# Altium PCB SNES TST Main.PcbDoc (part 3 of 3)
Units mm, origin at the board's own origin, x right, y up, seen from the top; angles counter-clockwise.
Board outline 62 x 43 mm, 4 copper layers (Top Layer, Ground Layer, Power Layer, Bottom Layer), stack 1.62 mm thick; 203 components, 269 nets, 985 pads, 609 vias.
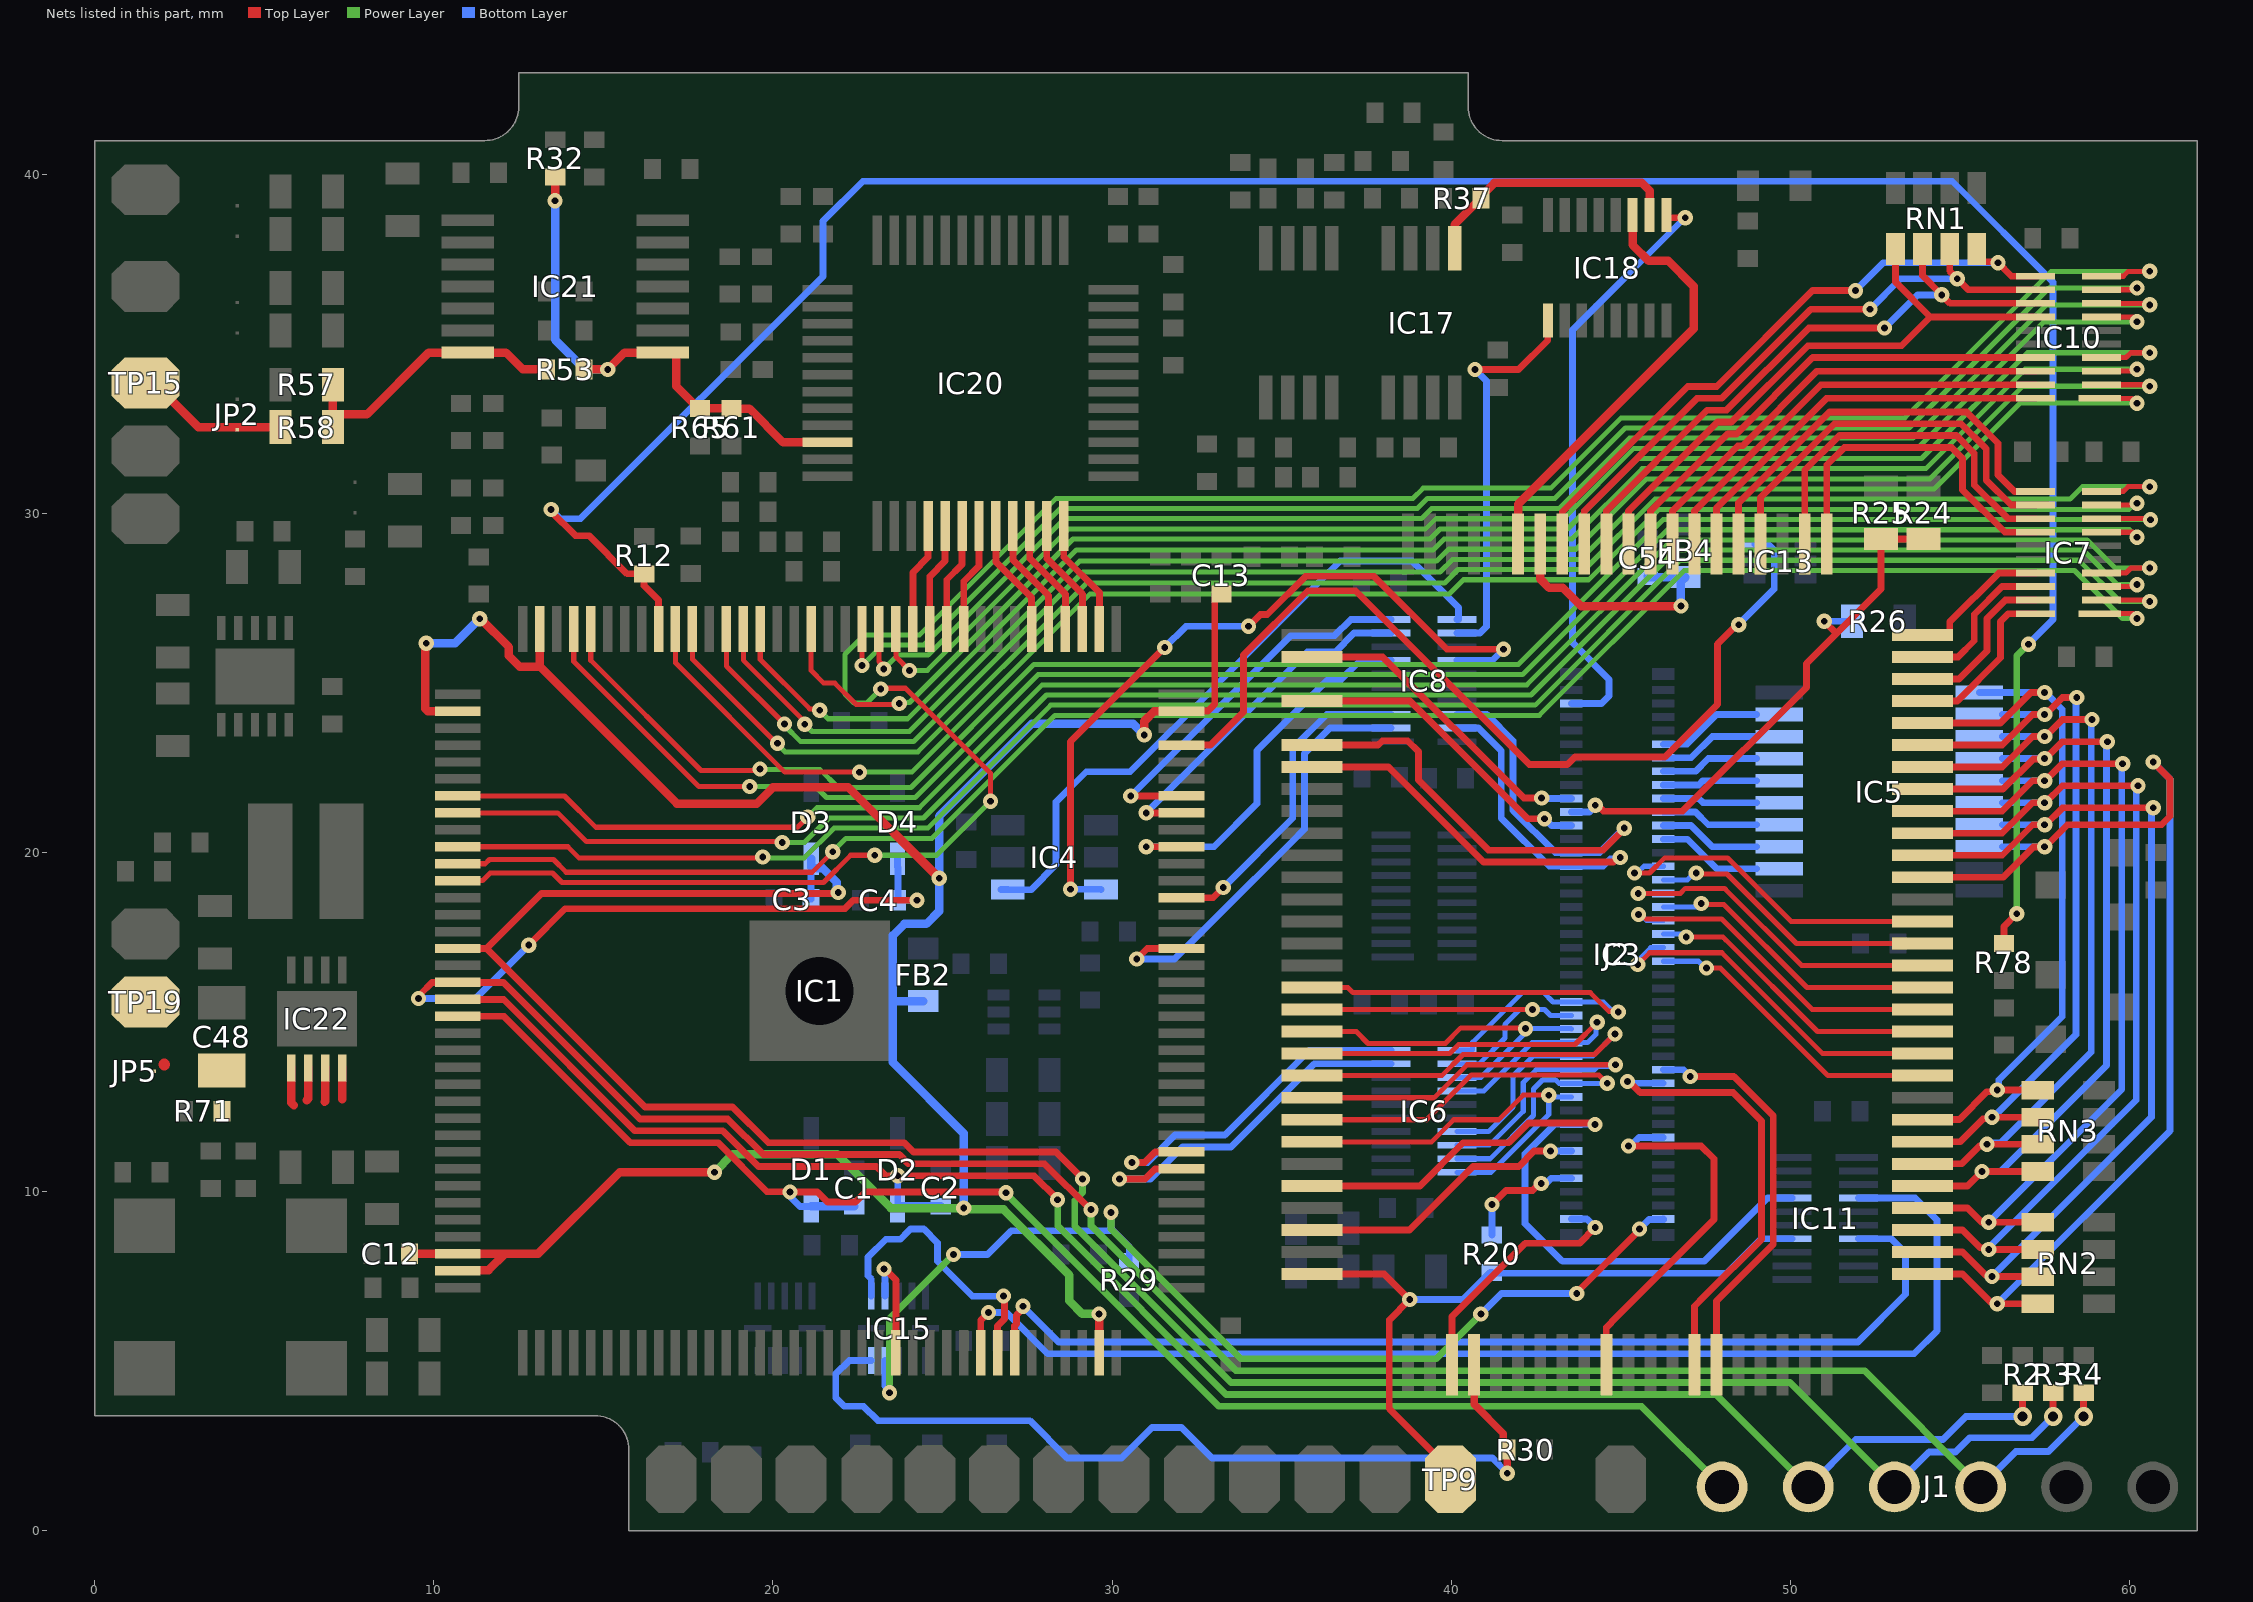
[diagram p5: the nets of this part, all layers, seen from the top]

## Via types
v1: diameter 0.45, hole 0.2, Top Layer to Bottom Layer, tented both sides, 443 vias
v2: diameter 0.55, hole 0.3, Top Layer to Bottom Layer, tented both sides, 166 vias

## Nets (pads, with @x,y where several pads share a name; then routed paths per layer and width w, separated by ;. In a path a pad name is that pad's centre, name@x,y a point inside that pad or via, vN(x,y) a via of type N, cw(c..) or ccw(c..) an arc to the next point about the centre after c; other vN are vias at no path point) (continued)
PA3V6: IC1.80 IC6.9 | length 11.4
  Top Layer w0.2: v1(30.221,10.381) 30.971,10.381 31.265,10.675 IC1.80@32.047,10.675
  Bottom Layer w0.2: v1(30.221,10.381) 31.131,10.381 32.075,11.325 33.51,11.325 33.635,11.45 35.96,13.775 IC6.9@38.225,13.775
PA3V7: IC1.81 IC6.10 | length 10.6
  Top Layer w0.2: v1(30.583,10.867) 30.962,10.867 31.27,11.175 IC1.81@32.047,11.175
  Bottom Layer w0.2: v1(30.583,10.867) 31.051,10.867 31.859,11.675 33.325,11.675 35.825,14.175 IC6.10@38.225,14.175
PA5V0: IC3.24 IC6.20 J2.62 | length 12.2
  Top Layer w0.15: IC3.24@35.9,11.475 39.425,11.475 40.075,12.125 41.4,12.125 42.126,12.851 v1(42.877,12.851)
  Bottom Layer w0.15: IC6.20@40.175,10.575 41.173,10.575 42.877,12.279 v1(42.877,12.851) ; v1@42.877,12.8 J2.62@43.545,12.8
PA5V1: IC3.23 IC6.19 J2.60 | length 15.2
  Top Layer w0.15: IC3.23@35.9,12.125 39.272,12.125 40.595,13.448 44.355,13.448 v1(44.602,13.201)
  Bottom Layer w0.15: IC6.19@40.175,10.975 41.149,10.975 42.425,12.251 42.425,13.035 42.691,13.301 43.081,13.301 43.182,13.2 v1(44.602,13.201)
PA5V2: IC3.22 IC6.18 J2.58 | length 15.5
  Top Layer w0.15: IC3.22@35.9,12.775 39.498,12.775 40.471,13.748 v1(44.848,13.748)
  Bottom Layer w0.15: IC6.18@40.175,11.375 41.124,11.375 42.125,12.376 42.125,13.221 42.507,13.603 43.542,13.603 J2.58@43.545,13.6 44.226,13.6 44.323,13.697 44.797,13.697 v1(44.848,13.748)
PA5V3: IC3.21 IC6.17 J2.56 | length 15.8
  Top Layer w0.15: IC3.21@35.9,13.425 39.724,13.425 40.347,14.048 44.224,14.048 v1(44.827,14.651)
  Bottom Layer w0.15: IC6.17@40.175,11.775 41.1,11.775 41.825,12.5 41.825,13.416 42.409,14 44.176,14 v1@44.827,14.651
PA5V4: IC3.20 IC6.14 J2.54 | length 13.9
  Top Layer w0.15: IC3.20@35.9,14.075 39.949,14.075 40.222,14.348 43.65,14.348 v1(44.303,15.001)
  Bottom Layer w0.15: IC6.14@40.175,12.975 40.96,12.975 42.387,14.402 43.543,14.402 J2.54@43.545,14.4 44.025,14.4 44.273,14.648 44.273,14.97 v1(44.303,15.001)
PA5V5: IC3.19 IC6.13 J2.52 | length 10.6
  Top Layer w0.15: IC3.19@35.9,14.725 37.2,14.725 37.55,14.375 39.825,14.375 40.285,14.835 42.169,14.835 v1(42.191,14.812)
  Bottom Layer w0.15: IC6.13@40.175,13.375 40.878,13.375 42.134,14.631 42.134,14.755 v1(42.191,14.812) ; v1@42.238,14.8 42.3,14.8 42.317,14.817 43.528,14.817 J2.52@43.545,14.8
PA5V6: IC3.18 IC6.12 J2.50 | length 10.8
  Top Layer w0.15: IC3.18@35.9,15.375 37.187,15.375 37.19,15.378 39.373,15.378 42.397,15.378 v1(42.4,15.375)
  Bottom Layer w0.15: IC6.12@40.175,13.775 40.825,13.775 41.587,14.537 41.587,14.939 42.023,15.375 42.75,15.375 42.925,15.2 J2.50@43.545,15.2
PA5V7: IC3.17 IC6.11 J2.48 | length 15.1
  Top Layer w0.15: IC3.17@35.9,16.025 36.95,16.025 37.102,15.873 44.102,15.873 44.65,15.326 44.9,15.326 v1(44.925,15.3)
  Bottom Layer w0.15: IC6.11@40.175,14.175 40.608,14.175 40.633,14.2 40.633,14.41 42.097,15.873 42.731,15.873 43.004,15.6 J2.48@43.545,15.6 44.483,15.6 44.726,15.357 44.868,15.357 v1(44.925,15.3)
PARD3V: IC1.93 IC8.2 | length 13.1
  Top Layer w0.2: v1(30.725,16.864) 31.036,17.175 IC1.93@32.047,17.175
  Bottom Layer w0.2: v1(30.725,16.864) 31.844,16.864 33.198,18.218 35.268,20.288 35.675,20.695 35.675,22.925 36.425,23.675 IC8.2@38.225,23.675
PARD5V: IC3.7 IC8.19 J2.28 | length 18.1
  Top Layer w0.2: IC3.7@35.9,22.525 38.15,22.525 40.95,19.725 44.784,19.725 44.919,19.86 v1(44.987,19.86)
  Bottom Layer w0.2: IC8.19@40.175,23.675 40.808,23.675 41.475,23.008 41.475,21.025 42.9,19.6 J2.28@43.545,19.6 44.478,19.6 44.691,19.813 44.939,19.813 v1(44.987,19.86)
PAWR3V: IC1.96 IC8.3 | length 9.6
  Top Layer w0.2: IC1.96@32.047,18.675 32.983,18.675 v1(33.279,18.971)
  Bottom Layer w0.2: v1(33.279,18.971) 35.325,21.017 35.325,23.07 36.33,24.075 IC8.3@38.225,24.075
PAWR5V: IC3.6 IC8.18 J2.26 | length 19.5
  Top Layer w0.2: IC3.6@35.9,23.175 37.841,23.175 37.966,23.3 38.719,23.3 39.033,22.985 39.033,22.142 41.1,20.075 44.475,20.075 45.1,20.7 v1(45.1,20.725)
  Bottom Layer w0.2: IC8.18@40.175,24.075 41.05,24.075 41.825,23.3 41.825,21.25 43.075,20 J2.26@43.545,20 44.375,20 v1(45.1,20.725)
PED: IC3.2 J2.18 | length 9.4
  Top Layer w0.2: IC3.2@35.9,25.775 37.98,25.775 42.142,21.613 v1(42.667,21.613)
  Bottom Layer w0.2: v1@42.656,21.6 J2.18@43.545,21.6
PPU_AVCC: C54.1 FB4.2 IC3.94 | length 7.5
  Top Layer w0.25: IC3.94@42.625,29.1 42.625,28.075 42.889,27.811 43.293,27.811 43.829,27.275 v1(46.775,27.275)
  Bottom Layer w0.25: C54.1@45.8,28.15 45.825,28.125 FB4.2@46.9,28.125 46.775,28 v1(46.775,27.275) v1@46.762,27.287
PPURST: IC1.136 R12.2 R78.1 | length 76.2
  Top Layer w0.2: v1(13.458,30.118) 13.458,30.067 14.175,29.35 14.575,29.35 15.7,28.225 R12.2@16.2,28.225 16.2,27.875 16.621,27.454 16.621,26.601 IC1.136@16.625,26.597 ; R78.1@56.3,17.325 56.3,17.825 v1(56.675,18.2)
  Power Layer w0.2: v1(56.675,18.2) 56.675,25.8 v1(57.025,26.15)
  Bottom Layer w0.2: v1(13.458,30.118) 13.725,29.85 14.329,29.85 21.475,36.996 21.475,38.625 22.65,39.8 54.775,39.8 57.75,36.825 57.75,26.875 v1(57.025,26.15)
PRIO0: IC3.44 J2.59 | length 13.5
  Top Layer w0.2: v1(45.202,13.251) 45.246,13.251 45.572,12.925 47.85,12.925 48.315,12.925 49.15,12.09 49.15,11.625 49.15,8.6 47.475,6.925 47.175,6.625 IC3.44@47.175,4.9
  Bottom Layer w0.2: v1(45.202,13.251) 45.253,13.2 J2.59@46.255,13.2
PRIO1: IC3.45 J2.57 | length 11.8
  Top Layer w0.2: v1(47.052,13.401) 48.334,13.401 49.5,12.235 49.5,8.455 47.825,6.78 IC3.45@47.825,4.9
  Bottom Layer w0.2: J2.57@46.255,13.6 46.847,13.6 47.017,13.429 v1@47.056,13.429
RAMP: IC17.1 IC18.10 R37.2 | length 7.6
  Top Layer w0.25: IC17.1@40.1,37.825 40.1,38.525 40.7,39.125 R37.2@40.75,39.125 ; R37.2@40.875,39.3 40.875,39.35 41.275,39.75 45.625,39.75 45.85,39.525 IC18.10@45.85,38.8
RDAC: IC20.34 IC21.1 R32.2 R53.2 R61.2 R65.2 | length 15.8
  Top Layer w0.25: v1(13.575,39.225) R32.2@13.575,39.925 ; R53.2@14.425,34.25 v1(15.125,34.25) 15.625,34.75 IC21.1@16.75,34.75 17.1,34.75 17.15,34.7 17.15,33.75 17.8,33.1 R65.2@17.85,33.1 R61.2@18.775,33.1 18.779,33.096 19.304,33.096 20.3,32.1 IC20.34@21.609,32.1
  Bottom Layer w0.25: v1(13.575,39.225) 13.575,35.125 14.45,34.25 v1(15.125,34.25)
RDIG1: IC1.121 IC20.40 | length 3.2
  Top Layer w0.2: IC1.121@24.125,26.597 24.125,28.265 24.575,28.715 IC20.40@24.575,29.634
RDIG2: IC1.120 IC20.41 | length 3.2
  Top Layer w0.2: IC1.120@24.625,26.597 24.625,28.15 25.075,28.6 IC20.41@25.075,29.634
RDIG3: IC1.119 IC20.42 | length 3.2
  Top Layer w0.2: IC1.119@25.125,26.597 25.125,28.05 25.575,28.5 IC20.42@25.575,29.634
RDIG4: IC1.118 IC20.43 | length 3.2
  Top Layer w0.2: IC1.118@25.625,26.597 25.625,28 26.075,28.45 IC20.43@26.075,29.634
RDIG5: IC1.114 IC20.44 | length 3.5
  Top Layer w0.2: IC20.44@26.575,29.634 26.575,28.575 27.625,27.525 IC1.114@27.625,26.597
RDIG6: IC1.113 IC20.45 | length 3.5
  Top Layer w0.2: IC20.45@27.075,29.634 27.075,28.63 28.125,27.58 IC1.113@28.125,26.597
RDIG7: IC1.112 IC20.46 | length 3.5
  Top Layer w0.2: IC20.46@27.575,29.634 27.575,28.675 28.625,27.625 IC1.112@28.625,26.597
RDIG8: IC1.111 IC20.47 | length 3.5
  Top Layer w0.2: IC20.47@28.075,29.634 28.075,28.675 29.125,27.625 IC1.111@29.125,26.597
RDIG9: IC1.110 IC20.48 | length 3.5
  Top Layer w0.2: IC20.48@28.575,29.634 28.575,28.72 29.625,27.67 IC1.110@29.625,26.597
RED: IC21.14 R53.1 R57.1 R58.1 | length 8.3
  Top Layer w0.25: R58.1@7.025,32.9 R57.1@7.025,34.15 ; R58.1@7.254,32.925 7.4,32.925 8.025,32.925 9.85,34.75 IC21.14@11,34.75 12.125,34.75 12.625,34.25 R53.1@13.325,34.25
REDOUT: JP2.1 R58.2 TP15.1 | length 4.4
  Top Layer w0.25: TP15.1@1.65,33.95 3.05,32.55 R58.2@5.475,32.55
REGION3V: IC1.66 IC11.7 | length 31.3
  Top Layer w0.2: IC1.66@27.125,5.253 27.125,6.048 27.18,6.103 27.18,6.363 27.373,6.556 v1(27.373,6.623)
  Bottom Layer w0.2: v1(27.373,6.623) 28.422,5.575 51.995,5.575 53.4,6.98 53.4,8.195 52.98,8.615 IC11.7@52.007,8.615
REGION5V: IC3.30 IC11.14 R20.1 TP9.1 | length 21.5
  Top Layer w0.2: IC3.30@35.9,7.575 38.025,7.575 v1(38.775,6.825) 38.175,6.225 38.175,3.6 39.975,1.8 TP9.1@39.975,1.525
  Bottom Layer w0.2: v1(38.775,6.825) 40.35,6.825 41.15,7.625 R20.1@41.2,7.625 41.225,7.6 48.125,7.6 49.14,8.615 IC11.14@50.057,8.615
REGPAT3V: IC1.99 IC8.7 | length 11.5
  Top Layer w0.2: v1(31.005,20.175) IC1.99@32.047,20.175
  Bottom Layer w0.2: v1(31.005,20.175) 33.005,20.175 34.275,21.445 34.275,23.01 36.34,25.075 36.725,25.075 37.325,25.675 IC8.7@38.225,25.675
REGPAT5V: IC4.6 IC8.14 | length 22.4
  Top Layer w0.2: v1(28.775,18.925) 28.775,23.275 v1(31.55,26.05) ; v1(34.023,26.677) 34.372,27.025 34.575,27.025 35.7,28.15 37.725,28.15 39.875,26 v1(41.546,26)
  Bottom Layer w0.2: v1(28.775,18.925) 29.662,18.925 IC4.6@29.673,18.914 ; v1(31.55,26.05) 32.177,26.677 v1(34.023,26.677) ; IC8.14@40.175,25.675 41.221,25.675 v1(41.546,26)
REGPSEL3V: IC1.102 IC8.10 | length 11.3
  Top Layer w0.2: v1(30.55,21.675) IC1.102@32.047,21.675
  Bottom Layer w0.2: v1(30.55,21.675) 35.275,26.4 36.565,26.4 37.04,26.875 IC8.10@38.225,26.875
REGPSEL5V: IC4.1 IC8.11 | length 19.6
  Bottom Layer w0.2: IC4.1@26.723,18.914 IC4.1@26.923,18.914 26.931,18.906 27.606,18.906 28.35,19.65 28.35,21.5 29.238,22.388 30.534,22.388 33.056,24.91 33.056,24.928 36.728,28.6 38.85,28.6 40.217,27.233 40.217,26.875 IC8.11@40.175,26.875
RESETI3V: IC1.59 IC15.8 | length 3.4
  Top Layer w0.2: v1(23.275,7.722) 23.3,7.722 23.625,7.397 IC1.59@23.625,5.253
  Bottom Layer w0.2: v1(23.275,7.722) 23.3,7.697 IC15.8@23.3,6.925
RESETI5V: IC15.4 J2.79 R29.1 | length 32.7
  Top Layer w0.2: v1(43.702,6.998) 43.702,7.028 45.55,8.876 v1(45.55,8.905)
  Power Layer w0.2: v1@23.434,4.075 23.434,6.259 v1(25.325,8.15) ; v1(29.969,9.394) 29.969,8.902 33.797,5.075 39.55,5.075 v1(40.875,6.4)
  Bottom Layer w0.2: IC15.4@23.3,5.025 23.3,4.275 23.433,4.142 v1(23.433,4.075) ; v1(25.325,8.15) 26.325,8.15 27.024,8.849 30.045,8.849 ; v1(29.969,9.394) 29.969,8.925 30.045,8.849 ; R29.1@30.5,7.95 30.505,7.955 30.505,8.389 30.045,8.849 ; v1(40.875,6.4) 41.48,7.005 43.695,7.005 v1(43.702,6.998) ; v1(45.55,8.905) 45.83,9.185 46.24,9.185 J2.79@46.255,9.2 J2.79@46.27,9.185
RESETO3V: IC1.65 IC15.7 | length 8.4
  Top Layer w0.2: IC1.65@26.625,5.253 26.625,6.043 26.83,6.248 26.83,6.895 v1(26.8,6.925)
  Bottom Layer w0.2: IC15.7@22.9,6.925 22.9,7.425 22.8,7.525 22.8,8.075 23.325,8.6 23.754,8.6 23.979,8.825 24.053,8.9 24.447,8.9 24.85,8.497 24.85,7.953 25.883,6.92 26.795,6.92 v1(26.8,6.925)
RESETO5V: IC3.34 IC15.5 R30.2 | length 27
  Top Layer w0.22: IC3.34@40.675,4.9 40.675,3.734 41.541,2.868 41.541,2.509 R30.2@41.65,2.4 v1(41.65,1.7)
  Bottom Layer w0.2: IC15.5@22.9,5.025 22.25,5.025 21.85,4.625 21.85,3.932 22.108,3.674 22.667,3.674 23.091,3.25 ; 23.092,3.25 23.775,3.25 ; 23.775,3.25 27.575,3.25 28.675,2.15 30.275,2.15 31.175,3.05 32.05,3.05 32.95,2.15 41.216,2.15 41.65,1.716 v1(41.65,1.7)
RESOUT0: IC3.33 J2.80 | length 7.5
  Top Layer w0.2: IC3.33@40.025,4.9 40.025,6.325 42.182,8.482 43.782,8.482 v1(44.247,8.947)
  Bottom Layer w0.2: J2.80@43.545,9.2 44,9.2 v1@44.25,8.95
RESOUT1: IC3.28 J2.70 | length 8.6
  Top Layer w0.2: IC3.28@35.9,8.875 38.77,8.875 40.645,10.75 41.995,10.75 42.445,11.2 v1(42.929,11.2)
  Bottom Layer w0.2: v1(42.929,11.2) J2.70@43.545,11.2
RGBSEL3V: IC1.101 IC8.9 | length 10.5
  Top Layer w0.2: v1(31.005,21.175) IC1.101@32.047,21.175
  Bottom Layer w0.2: v1(31.005,21.175) 35.755,25.925 36.585,25.925 37.135,26.475 IC8.9@38.225,26.475
RGBSEL5V: IC8.12 IC18.1 | length 11.8
  Top Layer w0.2: v1(40.7,34.25) 41.987,34.25 42.85,35.112 IC18.1@42.85,35.7
  Bottom Layer w0.2: IC8.12@40.175,26.475 40.848,26.475 41.039,26.666 41.039,33.911 v1(40.7,34.25)
RPPU: IC3.95 IC18.11 | length 12.9
  Top Layer w0.25: IC3.95@41.975,29.1 41.975,30.275 47.15,35.45 47.15,36.706 46.406,37.45 45.825,37.45 45.35,37.925 IC18.11@45.35,38.8
RSYS: IC18.9 J2.4 | length 17.7
  Top Layer w0.2: IC18.9@46.35,38.8 46.35,38.775 46.4,38.725 v1(46.9,38.725)
  Bottom Layer w0.2: J2.4@43.545,24.4 44.436,24.4 44.657,24.621 44.657,25.112 43.575,26.194 43.575,35.413 46.887,38.725 v1(46.9,38.725)
SUBCAR: J2.20 R24.1 R25.1 R26.1 | length 16.5
  Top Layer w0.2: v1(44.25,21.4) 44.317,21.4 44.492,21.225 46.825,21.225 50.473,24.873 50.473,25.573 51.363,26.463 ; v1(51,26.825) 51.363,26.463 ; R24.1@53.925,29.25 R25.1@52.675,29.25 52.675,27.775 51.363,26.463
  Bottom Layer w0.2: J2.20@43.545,21.2 44.079,21.2 44.25,21.371 v1(44.25,21.4) ; v1(51,26.825) R26.1@51.825,26.825
SUBCAR3V: IC1.105 IC13.3 | length 27.5
  Top Layer w0.2: IC1.105@32.047,23.175 32.9,23.175 33.875,24.15 33.875,25.83 35.77,27.725 37.178,27.725 42.303,22.6 43.425,22.6 43.65,22.825 46.3,22.825 47.85,24.375 47.85,26.15 48.425,26.725 v1(48.478,26.725)
  Bottom Layer w0.2: v1(48.478,26.725) 49.525,27.772 49.525,28.925 49.35,29.1 IC13.3@48.95,29.1
SYSREG: J2.74 R20.2 | length 3.6
  Top Layer w0.2: v1(41.2,9.625) 41.615,10.04 42.403,10.04 42.608,10.245 v1(42.657,10.245)
  Bottom Layer w0.2: R20.2@41.2,8.725 v1(41.2,9.625) ; v1(42.657,10.245) 42.687,10.276 42.825,10.276 42.942,10.392 ; 42.95,10.4 J2.74@43.545,10.4
TCK: C4.1 D4.2 IC1.18 J1.3 R4.1 | length 75
  Top Layer w0.2: v1(9.55,15.7) 9.598,15.748 9.598,15.826 9.947,16.175 12.055,16.175 16.08,12.15 18.665,12.15 19.715,11.1 23.725,11.1 24,10.825 28.007,10.825 29.357,9.475 v1(29.375,9.475) ; v1(12.8,17.275) 13.875,18.35 22.122,18.35 22.372,18.6 v1(24.25,18.6) ; v2(58.65,3.375) R4.1@58.65,4.075
  Power Layer w0.2: v1(29.375,9.475) 29.375,9.002 33.652,4.725 52.185,4.725 J1.3@55.61,1.3
  Bottom Layer w0.2: v1(9.55,15.7) 11.225,15.7 v1(12.8,17.275) ; D4.2@23.675,19.825 23.675,19.575 23.688,19.562 23.688,18.6 v1(24.25,18.6) ; J1.3@55.615,1.305 56.65,2.34 57.615,2.34 v2(58.65,3.375)
TDI: C2.1 D2.2 IC1.19 J1.5 R2.2 | length 56.3
  Top Layer w0.2: IC1.19@10.703,15.675 12.06,15.675 15.935,11.8 18.52,11.8 19.57,10.75 23.05,10.75 23.328,10.472 v1(23.682,10.472) ; v1@23.725,10.472 27.703,10.472 28.393,9.782 v1(28.393,9.768) ; v2(56.85,3.375) R2.2@56.85,4.075
  Power Layer w0.2: v1(28.393,9.768) 28.4,9.76 28.4,8.987 33.362,4.025 47.805,4.025 J1.5@50.53,1.3
  Bottom Layer w0.2: D2.2@23.675,9.575 23.678,9.578 23.678,10.468 v1(23.682,10.472) ; J1.5@50.53,1.3 51.93,2.7 54.5,2.7 55.175,3.375 v2(56.85,3.375)
  Bottom Layer w0.25: D2.2@23.675,9.575 C2.1@24.95,9.575
TDO: C1.1 D1.2 IC1.20 J1.6 | length 45.8
  Top Layer w0.2: IC1.20@10.703,15.175 12.065,15.175 15.79,11.45 18.375,11.45 19.823,10.002 v1@20.495,10.002 ; v1(20.5,9.997) 21.306,9.997 21.604,9.699 22.427,9.699 22.725,9.997 26.853,9.997 v1(26.875,9.975)
  Power Layer w0.2: v1(26.875,9.975) 26.875,9.956 33.156,3.675 45.615,3.675 J1.6@48.186,1.104
  Bottom Layer w0.2: v1(20.5,9.997) 20.548,9.949 20.548,9.816 20.8,9.564 D1.2@21.164,9.564
  Bottom Layer w0.25: D1.2@21.125,9.575 C1.1@22.4,9.575
TMS: C3.1 D3.2 IC1.16 J1.4 R3.2 | length 69.9
  Top Layer w0.2: IC1.16@10.703,17.175 11.55,17.175 ; v1(21.925,18.825) 21.9,18.8 13.175,18.8 11.55,17.175 ; v1(29.129,10.375) 29.129,10.393 28.347,11.175 24.145,11.175 23.87,11.45 19.86,11.45 18.81,12.5 16.225,12.5 11.55,17.175 ; v2(57.75,3.375) R3.2@57.75,4.075
  Power Layer w0.2: v1(29.129,10.375) 29.129,9.979 28.9,9.75 28.9,8.982 33.507,4.375 49.995,4.375 J1.4@53.07,1.3
  Bottom Layer w0.2: C3.1@21.125,18.625 D3.2@21.125,19.575 ; J1.4@53.07,1.3 54.095,2.325 54.875,2.325 55.3,2.75 57.125,2.75 v2(57.75,3.375)
  Bottom Layer w0.25: D3.2@21.125,19.825 21.125,19.575 21.164,19.536 21.475,19.536 21.887,19.125 21.887,18.863 v1(21.925,18.825)
TOUMEI: IC3.4 J2.22 | length 9.2
  Top Layer w0.2: IC3.4@35.9,24.475 38.785,24.475 42.26,21 v1(42.75,21)
  Bottom Layer w0.2: v1@42.702,21.048 v1(42.75,21) 42.76,21 42.96,20.8 J2.22@43.545,20.8
TST3V0: IC1.11 IC7.1 | length 55.3
  Top Layer w0.15: IC1.11@10.703,19.675 11.512,19.675 11.637,19.8 13.525,19.8 13.9,19.425 21.157,19.425 v1(21.759,20.028) ; IC7.1@59.125,27.05 60.1,27.05 60.245,26.906 v1@60.326,26.906
  Power Layer w0.15: v1(21.759,20.028) 22.015,20.284 22.157,20.425 24.689,20.425 28.314,24.05 42.6,24.05 46.875,28.325 58.38,28.325 59.8,26.906 v1(60.226,26.906)
TST3V1: IC1.10 IC7.2 | length 55.7
  Top Layer w0.15: IC1.10@10.703,20.175 13.95,20.175 14.275,19.85 19.675,19.85 v1(19.7,19.875) ; IC7.2@59.175,27.45 60.557,27.45 v1(60.601,27.406) v1@60.701,27.406
  Power Layer w0.15: v1(19.7,19.875) 19.725,19.85 20.925,19.85 21.8,20.725 24.565,20.725 28.19,24.35 42.476,24.35 46.751,28.625 58.504,28.625 59.724,27.406 v1(60.601,27.406)
TST3V2: IC1.8 IC7.3 | length 55
  Top Layer w0.15: IC1.8@10.703,21.175 13.65,21.175 14.5,20.325 20.25,20.325 v1(20.275,20.3) ; IC7.3@59.175,27.85 60.17,27.85 v1(60.226,27.906)